# Altium PCB D11_LOCK_v1_0.PcbDoc (continued)
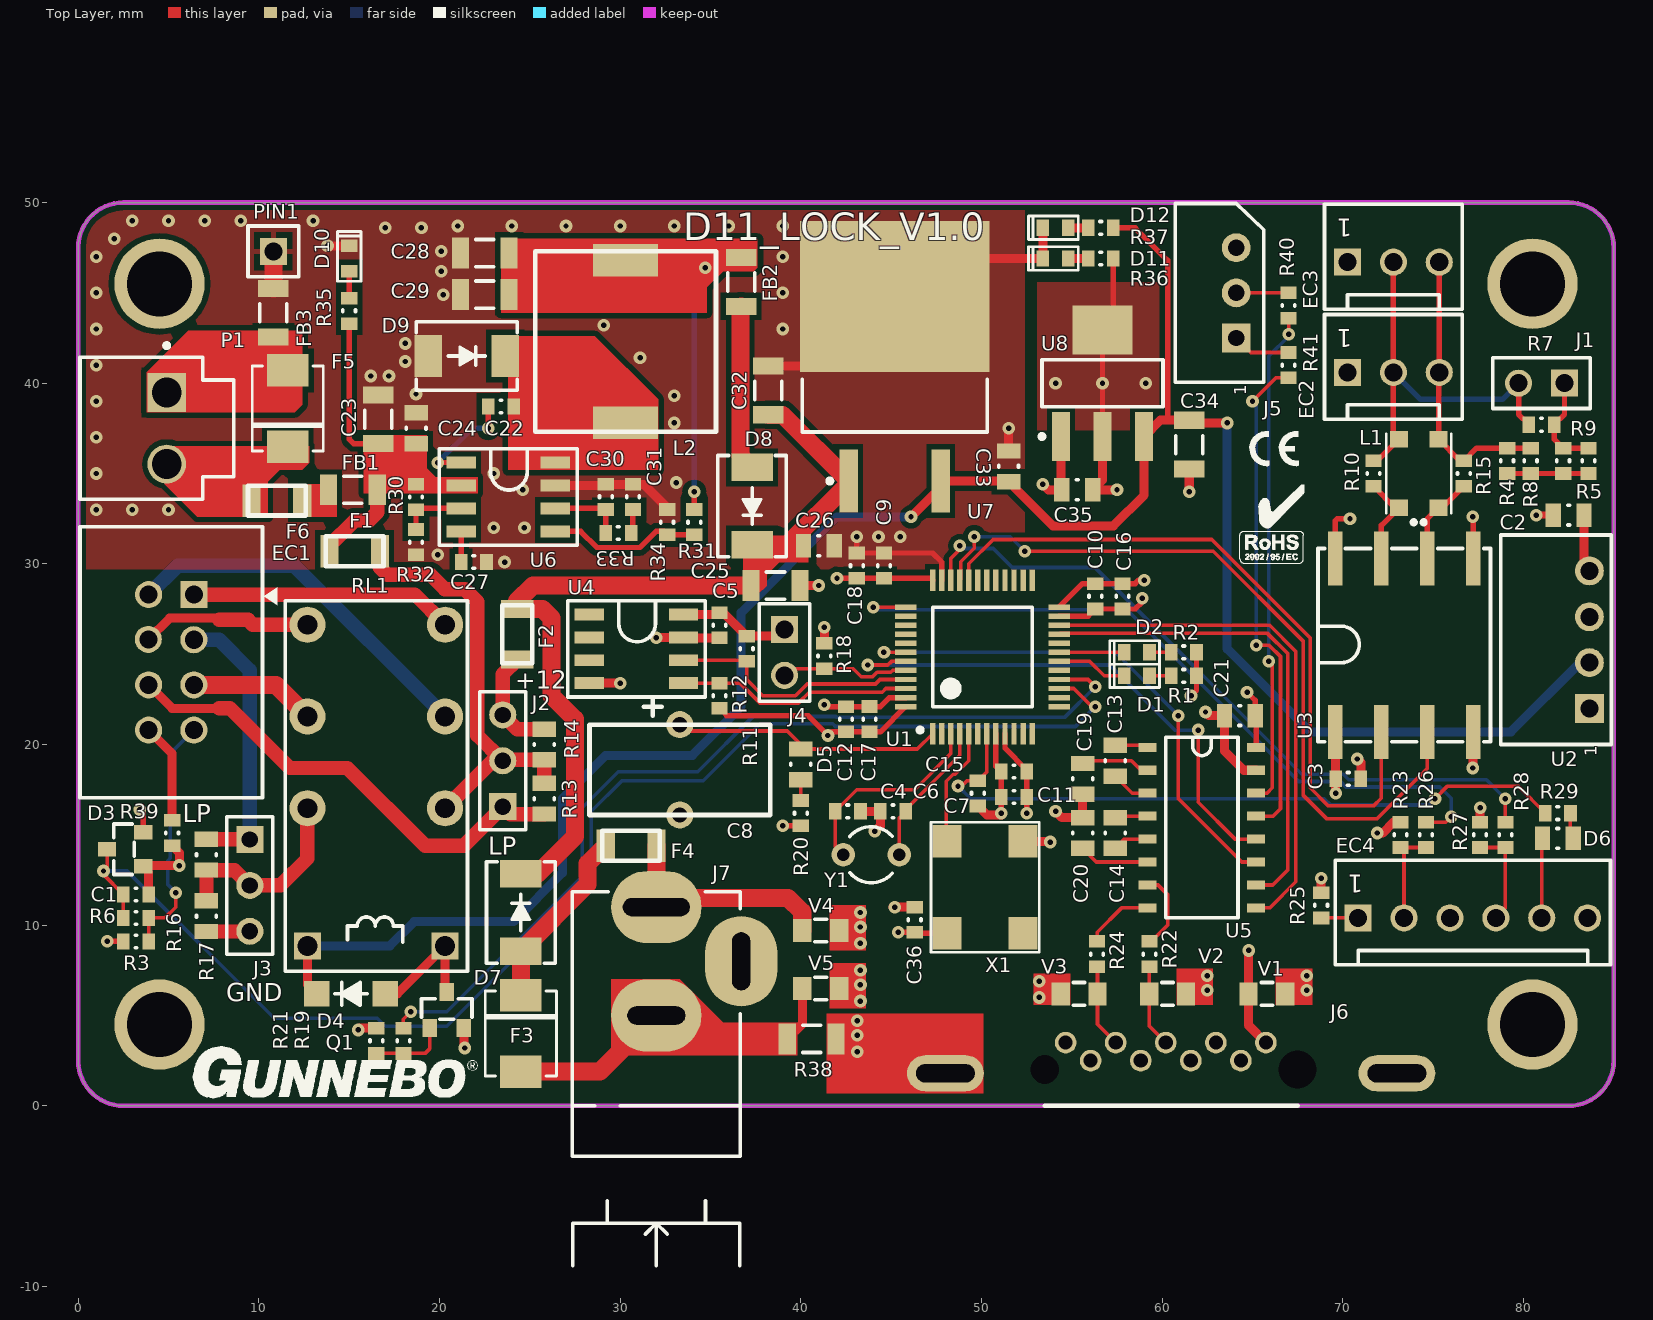
[diagram p0: Top Layer view]
## Part data (continued)
U3: library part 6001176, "CAN Transceiver Isolated 3-5vcc (-55º-105ºC)SOP8-DIP", Part Number=-, Codigo=6001176, DescripcionArticulo="CAN TRANSCEIVER ISO1050DU SOP8-DIP", Escandallo=Sí, Sallen Ref=06001176, tipo=integrado, valor=ISO1050DU
U4: library part 6001076, Codigo=6001076, DescripcionArticulo="CIRCUITO INTEGRADO SMD M24C16 WMN6TP SOIC8P", Escandallo=Sí, valor=M24C16
U5: library part 6001091, Codigo=6001091, DescripcionArticulo="CIRCUITO INTEGRADO SMD MAX3232CSE", Escandallo=Sí, tipo=integrado, valor=MAX3232
U6: "2A, 28V INPUT, STEP DOWN SWIFT™ DC/DC CONVERTER WITH ECO-MODE", Part Number="TEXAS TPS54231D", Codigo=06001119, PROVIDER=ISEE, Sallen Ref=06001119
U7: library part 6004008, Codigo=6004008, DescripcionArticulo="TRANSISTOR SMD MC78M05CDTRK", Escandallo=Sí
U8: library part 6001155, "800mA Low-Dropout Linear Regulator, 4-pin SOT-223, Pb-Free", Manufacturer="National Semiconductor", PackageTopMarking=XYTT*N05B, PowerWise=N, Code_IPC=SOT223-4, Code_JEDEC=TO-261-AA, Codigo=6001155, ComponentLink1Description="Manufacturer URL", ComponentLink1URL=http://www.national.com/, ComponentLink2Description="LM1117 Datasheet", ComponentLink2URL=http://www.national.com/ds/LM/LM1117.pdf, ComponentLink3Description="LM1117 Web Page", ComponentLink3URL=http://www.national.com/pf/LM/LM1117.html, ComponentLink4Description="MP04A Package Page", ComponentLink4URL=http://www.national.com/packaging/folders/mp04a.html, CompType="LDO IC", DatasheetVersion=Apr-2006, Descripcion2Articulo="Case Style:SOT-223", DescripcionArticulo="IC SMD  LM1117IMP-3.3/NOPB - V REG, LINEAR, 3.3V", Escandallo=Sí, High-Reliability=Y, PackageDescription="Molded SOT-223, 6.50 x 3.56 x 1.6mm Body, 4 Lead, 2.3mm Pitch", PackageReference=MP04A, PackageVersion="revB, Apr-2003", PartNumber=LM1117IMPX-3.3/NOPB, PinCount=4, RevisionNote="SCH symbol layout adjusted", RoHS=Y, tipo=integrado, valor=LM1117IMPX-3.3/NOPB
V1 V2 V3 V4 V5: "Varistor (Voltage-Sensitive Resistor)", www.digikey.com=478-2514-6-ND
X1: library part OSC7X5_4P3.3-24MHZ, "Oscillator 7x5mm 24Mhz 3.3v 4p s73305T-24 //Aker-usa", Part Number=-, Codigo=04027021, Part Type=Oscillator, Sallen Ref=04027021
Y1: "Crystal Oscillator", LatestRevisionDate=17-Jul-2002, LatestRevisionNote="Re-released for DXP Platform.", PackageDescription="Crystal, Thru-Hole; 2 Leads; Body 3.1 x 8.2 mm (Dia.xH)", PackageReference=R38, Published=8-Jun-2000, Publisher="Altium Limited"

## Free pads (board coordinates)
  round 5 hole 3.6: ""(4.5,4.5) ""(4.5,45.5) ""(80.5,4.5) ""(80.5,45.5)

## Via types
v1: diameter 0.7, hole 0.3, Top Layer to Bottom Layer, 135 vias

## Nets (pads, with @x,y where several pads share a name; then routed paths per layer and width w, separated by ;. In a path a pad name is that pad's centre, name@x,y a point inside that pad or via, vN(x,y) a via of type N, cw(c..) or ccw(c..) an arc to the next point about the centre after c; other vN are vias at no path point)
12V: D8.1 FB2.2 | length 9.2
  Top Layer w1: FB2.2 36.65,44.2 36.65,35.985 D8.1
+3V3: C3.1 C5.2 C9.2 C10.2 C11.2 C12.2 C15.2 C16.2 C17.2 C18.2 C21.1 C35.2 C36.2 D3.2 J4.1 R1.2 R2.2 R3.2 R11.1 R12.1 R20.1 R23.2 R25.1 R27.2 R36.2 U1.9 U1.24 U1.36 U1.48 U3.1 U4.8 U5.16 U8.2 U8.4 X1.4 | length 66.6
  Top Layer w0.3: v1(1.6,9.1) R3.2 ; v1(3.4,16.4) 3.6,16.2 D3.2 ; R12.1 35.9,21.6 40.4,21.6 v1(41.5,20.5) 41.7,20.7 C12.2 C17.2 44.4,20.7 U1.48 ; v1(39,15.5) R20.1 ; v1(42,29.2) C18.2 C9.2 47.2,29.2 U1.36 ; v1(45.4,9.6) C36.2 46.34,9.56 X1.4 ; U1.9 51.3,19.8 52.5,18.6 C15.2 C11.2 52.5,16.1 v1(52.5,16.2) ; U1.24 55.6,28.9 C10.2 C16.2 58.5,28.9 58.7,29.1 v1(59,29.1) ; U8.2 v1(56.7,40) U8.4 57.3,43.55 R36.2 ; v1(61.6,22.7) 61.9,23 R1.2 R2.2 ; v1(64.7,22.9) 65.15,22.45 C21.1 65.2,21.55 U5.16
  Top Layer w0.5: U4.8 35.405,27.205 C5.2 35.7,27.3 R11.1 38.73,26 J4.1 ; U8.2 56.7,34.65 C35.2 v1(57.5,34.1) ; R25.1 v1(68.8,12.6) ; U3.1 69.59,18.11 C3.1 v1(69.6,17.3) ; v1(71.9,15.1) 72.2,15.1 72.8,15.7 R23.2 ; R27.2 v1(77.6,16.5)
  other v1: 54.1,40 59.1,40
+5V: C33.2 C34.2 D4.2 R37.2 RL1.1 U2.2 U7.3 U8.3 | length 124.1
  Top Layer w0.3: R37.2 58.5,48.6 60.3,46.8 60.3,37.95
  Top Layer w0.5: RL1.1 12.69,6.71 D4.2 ; v1(46.1,32.6) 47.74,34.24 U7.3 51.463,34.587 C33.2 53.95,32.1 57.3,32.1 59,33.8 U8.3 59.9,37.95 60.3,37.95 C34.2 61.65,37.8 v1(63.6,37.8)
  Bottom Layer w0.5: RL1.1 17.25,8.85 18.6,10.2 24.1,10.2 26.8,12.9 26.8,17 29.2,19.4 34,19.4 36.7,22.1 36.7,27.3 42,32.6 v1(46.1,32.6) ; v1(63.6,37.8) 63.6,25.3 68.2,20.7 79.3,20.7 83.13,24.53 U2.2
+5VCAN: C2.1 U2.4 U3.8 | length 6.2
  Top Layer w0.3: U3.8 69.59,32.39 69.7,32.5 v1(70.4,32.5)
  Top Layer w0.5: C2.1 83.35,29.91 U2.4
+12V: C25.1 C26.2 C32.2 D7.2 D8.2 F2.2 U7.1 | length 45.2
  Top Layer w1: D7.2 25.435,12.835 27.5,14.9 27.5,21.4 26.2,22.7 26.2,27 25.7,27.5 F2.2 24.3,27.935 25.165,28.8 C25.1 ; D8.2 39.265,31.065 42.66,34.46 U7.1 38.997,38.25 C32.2
+24V: C23.2 C24.2 F1.2 FB1.2 R30.2 R35.2 U6.2 | length 13.1
  Top Layer w0.3: R35.2 15,36.9 15.245,36.655 C23.2
  Top Layer w0.8: F1.2 13.9,31 15.3,32.4 16.1,32.4 16.55,32.85 FB1.2
CAN_RX: U1.32 U3.2 | length 39.1
  Top Layer w0.2: U1.32 49.3,30 50.65,31.35 62.75,31.35 68.2,25.9 68.2,17.6 69.2,16.6 71.7,16.6 72.13,17.03 U3.2
CAN_TX: U1.33 U3.3 | length 42.4
  Top Layer w0.2: U1.33 48.85,29.15 48.85,30.116 49.6,30.866 v1(49.6,31.5) ; v1(52.4,30.7) 62.834,30.7 67.8,25.734 67.8,17.2 69.1,15.9 71.9,15.9 74.67,18.67 U3.3
  Bottom Layer w0.2: v1(49.6,31.5) 51.6,31.5 v1(52.4,30.7)
GND: C1.1 C3.2 C4.1 C5.1 C6.1 C7.1 C8.2 C9.1 C10.1 C11.1 C12.1 C15.1 C16.1 C17.1 C18.1 C19.1 C20.2 C21.2 C23.1 C24.1 C25.2 C26.1 C27.2 C28.1 C29.1 C30.1 C31.1 C32.1 C33.1 C34.1 C35.1 C36.1 D3.1 D9.1 D10.2 D11.2 D12.2 EC4.3 F3.1 FB3.2 J3.3 J5.3 J6.5 J7.2 PIN1.1 Q1.S R17.1 R18.1 R21.1 R32.1 R34.1 R38.2 R39.1 U1.8 U1.23 U1.35 U1.47 U2.1 U3.4 U4.4 U4.7 U5.15 U6.7 U7.4 U8.1 V1.1 V5.1 X1.2 | length 109.6
  Top Layer w0.3: v1(41.3,22.2) 41.4,22.1 C12.1 C17.1 44.4,22.1 44.9,22.6 U1.47 ; v1(43.1,31.5) C18.1 C9.1 47.3,30.6 47.8,30.1 U1.35 ; U1.8 50.8,18.8 C15.1 C11.1 v1@51.1,16.1 ; U1.23 55.9,27.1 C10.1 C16.1 58.5,27.5 58.9,27.9 v1(58.9,28.1)
  Top Layer w0.5: C1.1 3.9,12.95 D3.1 3.65,13.3 v1(5.6,13.3) 5.6,14 R39.1 ; v1(13.8,47.6) D10.2 ; v1(15.5,4.2) 15.6,4.3 R21.1 ; Q1.S 21.35,3.25 v1(21.4,3.2) ; U6.7 29.138,34.34 C30.1 C31.1 31.295,34.405 32.604,33.096 R34.1 ; U4.4 29.995,23.395 v1(30,23.4) ; v1(32,25.9) 32.035,25.935 U4.7 33.539,25.9 C5.1 ; C32.1 41.35,40.95 U7.4 47.3,46.9 D11.2 D12.2 ; R38.2 40.08,4.53 V5.1 ; C25.2 v1(41,28.8) ; R18.1 v1(41.3,26.5) ; C4.1 C6.1 44.4,15.5 v1(44.1,15.2) ; v1(45.2,11) 45.1,11 C36.1 ; C7.1 50.3,16.1 v1@51.1,16.1 ; C33.1 v1(51.5,37.5) ; X1.2 53.76,14.64 v1(53.8,14.6) ; v1(53.4,34.4) 53.7,34.1 C35.1 54.4,34.15 U8.1 ; v1(54.1,16.3) 54.45,15.95 C20.2 C19.1 ; v1(61.5,34) C34.1 ; v1(62.4,21.8) 62.6,21.6 C21.2 63.45,19.65 64.525,18.575 U5.15 ; v1(64.8,8.6) 64.78,8.58 V1.1 64.78,4.46 J6.5 ; v1(70.8,19.2) 71,19 C3.2 ; v1(77.2,18.7) 77.21,18.71 U3.4
  Top Layer w0.8: R17.1 9.49,9.65 J3.3
  Top Layer w1: FB3.2 PIN1.1 ; F3.1 28.892,1.892 J7.2
  other v1: 51.1,16.2 23.6,30.1 19.9,30.5 44.3,31.5 45.5,31.5 23,32 24.7,32 1,33 3,33 5,33 24.6,34.1 33.1,34.5 1,35 23,35 1,37 33,37.8 1,39 33,39.3 18.7,39.4 16.2,40.4 17.2,40.4 1,41 18.1,41.2 31.1,41.4 18.1,42.2 1,43 39,43 29.1,43.2 20.2,44.9 1,45 39,45 20.1,46.2 1,47 39,47 20.1,47.3 2,48 17,48.6 19,48.6 21,48.7 24,48.7 27,48.7 30,48.7 33,48.7 36,48.7 39,48.7 3,49 5,49 7,49 9,49 13,49
GND_CAN: C2.2 EC2.1 EC3.1 U2.3 U3.5 | length 3.3
  Top Layer w0.3: v1(77.2,32.6) 77.21,32.59 U3.5
  Top Layer w0.4: v1(80.7,32.7) C2.2
GND_EARTH: J6.10 J6.11 pad.@4.5,4.5 pad.@80.5,4.5 R38.1 V1.2 V2.1 V3.1 V4.2 V5.2
  other v1: 43.13,3 43.13,3.9 43.13,4.7 43.3,5.8 53.2,6 62.5,6.4 68,6.4 43.3,6.7 53.2,6.9 62.5,7.2 68,7.2 43.3,7.5 43.3,9 43.3,9.9 43.3,10.7
I2C1_SCL: R11.2 U1.45 U4.6 | length 14.1
  Top Layer w0.2: U4.6 36.935,24.665 R11.2 37,23.6 37.9,22.7 39.7,22.7 40.35,23.35 44.135,23.35 44.385,23.6 U1.45
I2C1_SDA: R12.2 U1.46 U4.5 | length 13.1
  Top Layer w0.2: U4.5 33.508,23.4 R12.2 36.634,23.4 37.734,22.3 39.866,22.3 40.466,22.9 44.5,22.9 44.7,23.1 U1.46
LED_0: D1.2 U1.18 | length 3.9
  Top Layer w0.2: U1.18 56,24.6 56.8,23.8 D1.2
LED_1: D2.2 U1.19 | length 3.6
  Top Layer w0.2: U1.19 D2.2
LOCK_RELAY: R19.2 U1.16 | length 50.9
  Top Layer w0.2: R19.2 18,4.8 v1(18.4,5.2) ; U1.16 55.9,23.6 v1(56.3,23.2)
  Bottom Layer w0.2: v1(18.4,5.2) 20.4,5.2 27.9,12.7 27.9,16.5 29.9,18.5 34.3,18.5 37.35,21.55 41.935,21.55 41.985,21.5 54.6,21.5 v1(56.3,23.2)
LOCK_SWITCH: C1.2 D3.3 R6.1 U1.15 | length 75.2
  Top Layer w0.2: D3.3 1.6,13.2 v1(1.4,13) 1.4,12.8 C1.2 R6.1 ; U1.15 55.1,23.1 56.2,22 56.4,22 v1(56.3,22.1)
  Bottom Layer w0.2: v1(1.4,13) 2.7,13 10.85,4.85 16.55,4.85 17,4.4 20.4,4.4 28.4,12.4 28.4,16.3 30.1,18 34.6,18 37.75,21.15 41.769,21.15 41.919,21 55.2,21 v1(56.3,22.1)
NetC4_2: C4.2 U1.3 Y1.2 | length 11.4
  Top Layer w0.2: Y1.2 41.9,14.35 C4.2 43.1,17.5 46.3,17.5 48.3,19.5 U1.3
NetC6_2: C6.2 U1.4 Y1.1 | length 8.1
  Top Layer w0.2: Y1.1 45.45,15.95 C6.2 45.8,16.4 48.8,19.4 U1.4
NetC13_1: C13.1 U5.3 | length 2.2
  Top Layer w0.2: C13.1 58.345,17.305 U5.3
NetC13_2: C13.2 U5.1 | length 1.8
  Top Layer w0.2: C13.2 59.095,19.95 U5.1
NetC14_1: C14.1 U5.4 | length 1.8
  Top Layer w0.2: C14.1 57.485,16.035 U5.4
NetC14_2: C14.2 U5.5 | length 2
  Top Layer w0.2: C14.2 57.915,14.765 U5.5
NetC19_2: C19.2 U5.2 | length 3.9
  Top Layer w0.2: C19.2 55.75,19.1 58.3,19.1 58.825,18.575 U5.2
NetC20_1: C20.1 U5.6 | length 3.9
  Top Layer w0.2: C20.1 56.355,13.495 U5.6
NetC22_1: C22.1 U6.1 | length 6.1
  Top Layer w0.3: v1(19.9,35.6) 19.91,35.61 U6.1 ; v1(22.7,37.5) 22.7,38.702 C22.1
  Bottom Layer w0.3: v1(19.9,35.6) 21.8,37.5 v1(22.7,37.5)
NetC22_2: C22.2 D9.2 L2.1 U6.8
NetC27_1: C27.1 U6.4 | length 1.7
  Top Layer w0.3: C27.1 U6.4
NetC28_2: C28.2 C29.2 FB2.1 L2.2 R31.2 | length 15.9
  Top Layer w0.3: v1(34.1,34) 34.103,33.997 R31.2 ; v1(34.7,46.4) 35.25,46.95 FB2.1
  Bottom Layer w0.3: v1(34.1,34) 34.1,45.8 v1(34.7,46.4)
NetC30_2: C30.2 R33.2 U6.6 | length 4.1
  Top Layer w0.3: U6.6 29.138,33.07 C30.2 R33.2
NetC31_2: C31.2 R33.1 | length 1.3
  Top Layer w0.3: R33.1 30.703,31.805 C31.2
NetD1_1: D1.1 R1.1 | length 1.2
  Top Layer w0.2: D1.1 R1.1
NetD2_1: D2.1 R2.1 | length 1.2
  Top Layer w0.2: D2.1 R2.1
NetD4_1: D4.1 Q1.D RL1.16 | length 7
  Top Layer w0.5: D4.1 17.66,6.2 RL1.16 20.31,6.39 Q1.D
NetD5_1: D5.1 R20.2 | length 1.1
  Top Layer w0.2: R20.2 D5.1
NetD6_1: D6.1 R29.1 | length 1.5
  Top Layer w0.2: R29.1 82.6,14.95 D6.1
NetD6_2: D6.2 EC4.5 | length 4.4
  Top Layer w0.2: EC4.5 81.01,14.76 D6.2
NetD7_1: D7.1 F3.2 F4.2 | length 10.2
  Top Layer w1: F3.2 D7.1 28.2,12.265 28.2,13.4 F4.2
NetD10_1: D10.1 R35.1 | length 1.5
  Top Layer w0.3: R35.1 D10.1
NetD11_1: D11.1 R36.1 | length 1.1
  Top Layer w0.5: D11.1 R36.1
NetD12_1: D12.1 R37.1 | length 1.1
  Top Layer w0.5: D12.1 R37.1
NetEC1_1: EC1.1 RL1.9 | length 14.6
  Top Layer w0.8: EC1.1 18.64,28.3 RL1.9
NetEC1_2: EC1.2 RL1.11 | length 20.5
  Bottom Layer w0.8: EC1.2 5.5,29.9 11.96,29.9 RL1.11
NetEC1_3: EC1.3 J3.1 R16.2 | length 15.6
  Top Layer w0.8: R16.2 9.49,14.75 J3.1
  Bottom Layer w0.8: EC1.3 7.8,25.8 9.5,24.1 J3.1
NetEC1_4: EC1.4 RL1.8 | length 9.5
  Top Layer w0.5: EC1.4 5.06,27 7.7,27 7.8,26.9
  Top Layer w0.8: 7.8,26.9 9.4,26.9 9.67,26.63 RL1.8
NetEC1_5: EC1.5 RL1.6 | length 7
  Top Layer w1: EC1.5 10.94,23.3 RL1.6
NetEC1_6: EC1.6 J2.1 R13.2 | length 26.7
  Top Layer w0.5: EC1.6 5.2,22 7.8,22
  Top Layer w0.8: 7.8,22 8.4,22 11.7,18.7 14.9,18.7 19.2,14.4 21.34,14.4 J2.1 23.91,16.15 R13.2
NetEC1_7: EC1.7 R3.1 R6.2 | length 13.6
  Top Layer w0.2: R3.1 R6.2 4.8,10.4 5.4,11 v1(5.4,11.8)
  Bottom Layer w0.2: v1(5.4,11.8) 4.95,12.25 4.95,13.569 5.1,13.719 5.1,19.5 EC1.7
NetEC1_8: EC1.8 R39.2 | length 5.5
  Top Layer w0.5: EC1.8 5.2,19.5 R39.2
NetEC2_2: EC2.2 EC3.2 J1.2 L1.2 R7.2 R10.2 | length 22.3
  Top Layer w0.3: R10.2 71.9,35.7 L1.2 72.8,37.2 EC2.2 EC3.2 ; J1.2 79.73,38.27 R7.2
  Bottom Layer w0.3: EC2.2 74.3,39.1 78.83,39.1 J1.2
NetEC2_3: EC2.3 EC3.3 L1.3 R4.1 R8.1 R15.2 | length 15.7
  Top Layer w0.3: EC3.3 EC2.3 75.3,40.56 L1.3 76.5,35.7 R15.2 77.4,36.4 R4.1 R8.1
NetEC4_1: EC4.1 R25.2 | length 2.1
  Top Layer w0.2: R25.2 EC4.1
NetEC4_2: EC4.2 R23.1 R26.1 | length 5.4
  Top Layer w0.2: EC4.2 73.39,14.11 R23.1 R26.1
NetEC4_4: EC4.4 R27.1 R28.1 | length 5.5
  Top Layer w0.2: R27.1 R28.1 79,10.93 EC4.4
NetF1_1: F1.1 J2.2 R13.1 R14.2 RL1.13 | length 24.4
  Top Layer w0.8: F1.1 16.7,29.8 17.1,29.4 19.5,29.4 20.3,28.6 21.4,28.6 22.1,27.9 22.1,20.5 J2.2 ; RL1.13 22.94,19.1 J2.2 ; R13.1 R14.2 23.55,19.15 J2.2
NetF2_1: F2.1 J2.3 R14.1 | length 6
  Top Layer w0.8: F2.1 23.5,23.9 J2.3 24.29,20.85 R14.1
NetF5_1: F5.1 FB3.1 P1.1
NetF6_2: F6.2 FB1.1
NetJ1_1: J1.1 R5.2 R7.1 R9.2 | length 5.4
  Top Layer w0.3: J1.1 82.27,38.27 R7.1 81.7,36.9 R9.2 R5.2
NetJ3_2: J3.2 R16.1 R17.2 RL1.4 | length 11
  Top Layer w0.8: R17.2 R16.1 8.65,13.05 J3.2 11.2,12.2 12.69,13.69 RL1.4
NetJ4_2: J4.2 R18.2 U1.44 | length 7.2
  Top Layer w0.2: J4.2 39.47,24.2 R18.2 42.9,24.2 43.35,23.75 43.969,23.75 44.219,24 44.985,24 45.085,24.1 U1.44
NetJ5_1: J5.1 R41.1 | length 3.2
  Top Layer w0.2: J5.1 64.9,41.7 R41.1
NetJ5_2: J5.2 R40.1 | length 2.9
  Top Layer w0.2: J5.2 R40.1
NetJ6_2: J6.2 R24.1 V3.2 | length 4.5
  Top Layer w0.2: R24.1@56.4,7.6 56.42,7.58 V3.2 56.42,4.51 J6.2
NetJ6_3: J6.3 R22.1 V2.2 | length 4.5
  Top Layer w0.2: R22.1@59.3,7.6 59.28,7.58 V2.2 59.28,4.42 J6.3
NetL1_1: L1.1 R10.1 U3.7 | length 5.1
  Top Layer w0.3: R10.1 72.9,33.1 L1.1 72.13,32.13 U3.7
NetL1_4: L1.4 R15.1 U3.6 | length 5
  Top Layer w0.3: U3.6 74.67,32.47 L1.4 75.5,33.1 R15.1
NetQ1_G: Q1.G R19.1 R21.2 | length 4.2
  Top Layer w0.2: R21.2 R19.1 19.2,2.9 19.45,3.15 Q1.G
NetR4_2: R4.2 R5.1 R8.2 R9.1 | length 4.5
  Top Layer w0.3: R4.2 R8.2 R9.1 R5.1
NetR30_1: R30.1 R32.2 U6.3 | length 3.6
  Top Layer w0.3: R32.2 R30.1 18.77,33.07 U6.3
NetR31_1: R31.1 R34.2 U6.5 | length 8.5
  Top Layer w0.3: U6.5 27.814,31.8 28.709,30.905 31.098,30.905 31.993,31.8 32.409,31.8 R34.2 R31.1
NetU1_5: U1.5 X1.3 | length 6.6
  Top Layer w0.2: X1.3 48.05,14.69 48.05,17.969 48.431,18.35 48.55,18.35 49.3,19.1 U1.5
NRST: C7.2 R29.2 U1.7 | length 38
  Top Layer w0.2: v1(48.7,17.7) 48.9,17.7 49.2,18 C7.2 50.3,18.5 U1.7 ; v1(75.1,17) 75.8,17.7 79.7,17.7 R29.2
  Bottom Layer w0.2: v1(48.7,17.7) 49.4,17 68.981,17 69.331,16.65 74.75,16.65 v1(75.1,17)
PA8: U1.29
PA15: U1.38
PB2: U1.20
PB3: U1.39
PB4: U1.40
PB5: U1.41
PB12: U1.25
PB13: U1.26
PB14: U1.27
PB15: U1.28
PC13: U1.2
Rx232ext: R24.2 U5.8 | length 4
  Top Layer w0.2: R24.2@56.4,9 R24.2 56.4,9.6 57.755,10.955 U5.8
Rx232int: R41.2 U5.13 | length 27.7
  Top Layer w0.2: v1(65,39) 66.3,40.3 R41.2 ; U5.13 66.135,16.035 66.55,16.45 66.55,24.869 65.919,25.5 v1(65.2,25.5)
  Bottom Layer w0.2: v1(65,39) 65.2,38.8 v1(65.2,25.5)
SDCLK: R26.2 U1.37 | length 40.7
  Top Layer w0.2: v1(44,27.6) U1.37 ; R26.2 75.7,15.7 v1(76,16)
  Bottom Layer w0.2: v1(44,27.6) 44.15,27.45 58.065,27.45 67.565,17.95 69.869,17.95 70.169,17.65 75.369,17.65 76,17.019 v1(76,16)
SDWIO: R28.2 U1.34 | length 39.4
  Top Layer w0.2: U1.34 48.3,30.3 48.8,30.8 v1(48.8,31) ; R28.2 v1(79,17)
  Bottom Layer w0.2: v1(48.8,31) 48.95,30.85 50.65,30.85 51.7,29.8 56.281,29.8 67.731,18.35 70.035,18.35 70.335,18.05 77.95,18.05 v1(79,17)
Tx232ext: R22.2 U5.7 | length 4.4
  Top Layer w0.2: U5.7 59.775,12.225 60.3,11.7 60.3,10 R22.2@59.3,9
Tx232int: R40.2 U5.14 | length 27.6
  Top Layer w0.2: U5.14 65.805,17.305 66.1,17.6 66.1,24.4 v1(65.9,24.6) ; v1(67,42.7) R40.2
  Bottom Layer w0.2: v1(65.9,24.6) 65.9,41.5 67,42.6 v1(67,42.7)
USART1_RX: U1.43 U5.12 | length 30
  Top Layer w0.2: v1(43.7,24.4) 44.819,24.4 45.019,24.6 U1.43 ; v1(62,20.8) 62,16.8 64.035,14.765 U5.12
  Bottom Layer w0.2: v1(43.7,24.4) 57.1,24.4 60.7,20.8 v1(62,20.8)
USART1_TX: U1.42 U5.11 | length 29.4
  Top Layer w0.2: v1(44.6,25.1) U1.42 ; v1(60.9,21.6) 60.9,17 64.405,13.495 U5.11
  Bottom Layer w0.2: v1@44.7,25.2 v1(44.6,25.1) 57.4,25.1 v1(60.9,21.6)
USART3_RX: U1.22 U5.9 | length 29.2
  Top Layer w0.2: U1.22 65.951,26.6 67.4,25.151 67.4,12.4 65.955,10.955 U5.9
USART3_TX: U1.21 U5.10 | length 27.2
  Top Layer w0.2: U1.21 54.35,26.15 65.835,26.15 66.95,25.035 66.95,13.05 66.125,12.225 U5.10
USART4_RX: U1.11
USART4_TX: U1.10
VBAT: C8.1 D5.2 U1.1 | length 15.1
  Top Layer w0.2: C8.1 33.65,20.75 39.25,20.75 40,20 D5.2 46.45,19.75 U1.1
VIN_ext: F4.1 J7.1 V4.1 | length 13
  Top Layer w1: F4.1 J7.1 32.5,11.5 39.3,11.5 40.08,10.72 V4.1
VIN_int24: F5.2 F6.1 P1.2
pads on no net: D3.PEGA D4.PEGA D7.PEGA D8.PEGA D9.PEGA EC4.6 J6. J6.1 J6.4 J6.6 J6.7 J6.8 J6.9 J7.3 Q1.PEGA U1.6 U1.12 U1.13 U1.14 U1.17 U1.30 U1.31 U4.1 U4.2 U4.3 X1.1

## Polygon pours and split planes (outlines as drawn)
+3V3 on Top Layer "Top Layer-No Net" (solid, remove dead copper, pour order 20): 60.2,37.4 60.2,45.6 53.1,45.6 53.1,37.4
GND on Top Layer "GND_L01_P022" (solid, remove dead copper, pour order 26): 0,29.7 52.4,29.7 52.4,50.022 0,50.022
GND_EARTH on Bottom Layer "EARTH" (solid, remove dead copper, pour order 22): 42.5,7.6 42.5,10.7 42.9,11.1 43.6,11.1 44,10.7 44,7.6 85,7.6 85,0 0,0 0,7.6 6,7.6 12.1,1.5 36.4,1.5
GND_CAN on Internal Plane 1 (split plane): 82.695,49.482 82.889,49.454 83.078,49.406 83.262,49.34 83.439,49.257 83.607,49.156 83.764,49.04 83.908,48.908 84.04,48.764 84.156,48.607 84.257,48.439 84.34,48.262 84.406,48.078 84.454,47.889 84.482,47.695 84.491,47.516 84.49,47.5 84.49,26.552 69.752,26.552 69.752,49.49 82.5,49.49 82.516,49.491
GND on Internal Plane 1 (split plane): 2.5,49.49 68.248,49.49 68.248,25.8 68.257,25.682 68.285,25.568 68.33,25.458 68.391,25.358 68.468,25.268 68.558,25.191 68.658,25.13 68.768,25.085 68.882,25.057 69,25.048 84.49,25.048 84.49,7.6 44,7.6 44,11.1 42.5,11.1 42.5,7.6 36.4,1.5 12.1,1.5 6,7.6 0.51,7.6 0.51,47.5 0.509,47.516 0.518,47.695 0.546,47.889 0.594,48.078 0.66,48.262 0.743,48.439 0.844,48.607 0.96,48.764 1.092,48.908 1.236,49.04 1.393,49.156 1.561,49.257 1.738,49.34 1.922,49.406 2.111,49.454 2.305,49.482 2.484,49.491
+5VCAN on Internal Plane 2 (split plane): 82.695,49.482 82.889,49.454 83.078,49.406 83.262,49.34 83.439,49.257 83.607,49.156 83.764,49.04 83.908,48.908 84.04,48.764 84.156,48.607 84.257,48.439 84.34,48.262 84.406,48.078 84.454,47.889 84.482,47.695 84.491,47.516 84.49,47.5 84.49,26.552 69.752,26.552 69.752,49.49 82.5,49.49 82.516,49.491
+3V3 on Internal Plane 2 (split plane): 2.5,49.49 68.248,49.49 68.248,25.8 68.257,25.682 68.285,25.568 68.33,25.458 68.391,25.358 68.468,25.268 68.558,25.191 68.658,25.13 68.768,25.085 68.882,25.057 69,25.048 84.49,25.048 84.49,7.6 44,7.6 44,11.1 42.5,11.1 42.5,7.6 36.4,1.5 12.1,1.5 6,7.6 0.51,7.6 0.51,47.5 0.509,47.516 0.518,47.695 0.546,47.889 0.594,48.078 0.66,48.262 0.743,48.439 0.844,48.607 0.96,48.764 1.092,48.908 1.236,49.04 1.393,49.156 1.561,49.257 1.738,49.34 1.922,49.406 2.111,49.454 2.305,49.482 2.484,49.491

## Keep-outs
Keep-Out Layer:
  lines w0.254: 0,2.5 ccw(c2.5,2.5) 2.5,0 3,0 82.5,0 ccw(c82.5,2.5) 85,2.5 85,47.5 ccw(c82.5,47.5) 82.5,50 3,50 2.5,50 ccw(c2.5,47.5) 0,47.5 0,2.5

## Other copper
Top Layer:
  region net GND: 29.5,7 33.3,7 35.7,4.6 39.8,4.6 39.8,2.8 29.5,2.8
  region net GND_EARTH: 41.43,5.1 50.1,5.1 50.1,0.7 41.43,0.7
  region net GND_EARTH: 41.6,7.9 43.6,7.9 43.6,5.4 41.6,5.4
  region net GND_EARTH: 41.6,11.1 43.6,11.1 43.6,8.6 41.6,8.6
  region net GND_EARTH: 66.3,7.6 68.3,7.6 68.3,5.6 66.3,5.6
  region net GND_EARTH: 60.8,7.6 62.8,7.6 62.8,5.6 60.8,5.6
  region net +12V: 40.4,31.3 36.8,31.3 36.8,28.3 37.6,28.3 38.1,28.8 38.1,29.4 38.8,30.1 40.4,30.1
  region net NetF5_1: 3.8,38.4 12,38.4 12.4,38.8 12.4,42.9 6.1,42.9 3.8,40.6
  region net GND_EARTH: 54.9,5.6 52.9,5.6 52.9,7.3 54.9,7.3
  region net NetC28_2: 37.4,46.2 35.7,46.2 34.8,45.3 34.8,43.9 23.403,43.9 23.403,48 37.6,48 37.6,46.4
  region net NetC22_2: 23.803,35.2 32.103,35.2 32.103,39.105 28.603,42.605 23.803,42.605
  region net +24V: 22.103,33.905 15.805,33.905 15.805,37.105 19.303,37.105 19.303,35.296 19.795,34.805 22.103,34.805
  region net VIN_int24: 10.5,34.55 11.15,35.2 12.4,35.2 12.8,35.6 12.8,36.5 10.5,36.5 4.8,36.5 4.8,34.4 6.6,32.6 10.5,32.6
  region net NetF6_2: 14.3,32.6 11.9,32.6 11.9,34.4 14.3,34.4
Internal Plane 1 (plane layer: these items are gaps in the copper):
  pour cut-out: 38.4,58.1 39.5,58.1 39.5,57 38.4,57
  pour cut-out: 0,0 0,7.6 6,7.6 12.1,1.5 36.4,1.5 42.5,7.6 42.5,11.1 44,11.1 44,7.6 85,7.6 85,0
  lines w1.5: 69,50 69,25.8 85,25.8
Internal Plane 2 (plane layer: these items are gaps in the copper):
  pour cut-out: 0,0 0,7.6 6,7.6 12.1,1.5 36.4,1.5 42.5,7.6 42.5,11.1 44,11.1 44,7.6 85,7.6 85,0
  lines w1.5: 69,50 69,25.8 85,25.8

## Silkscreen, mask and mechanical layers (free items; w line width, h text height)
Top Overlay:
  drawing of 2415 lines, arcs and shapes, not listed
  text "D11_LOCK_V1.0" at 33.5,47.9 h1.52
  text "+12" at 24.2,23.1 h1
  text "LP" at 5.8,15.7 h1
  text "LP" at 22.7,13.9 h1
  text "GND" at 8.2,5.8 h1
Mechanical 10:
  text "Layer:" at 24.5,-6.5 h1.52
  text "'.Printout_Name'" at 33.6,-6.5 h1.52
Drill Drawing:
  drawing of 154 lines, arcs and shapes, not listed
  text "Symbol" at -36.731,141.81 h1.83
  text "Count" at -23.882,141.81 h1.83
  text "Hole Size" at -8.646,141.81 h1.83
  text "Plated" at 20.809,141.81 h1.83
  text "Hole Type" at 33.659,141.81 h1.83
  text "Drill Layer Pair" at 52.297,141.81 h1.83
  text "Via/Pad" at 90.386,141.81 h1.83
  text "Pad Shape" at 105.368,141.81 h1.83
  text "Template" at 124.311,141.81 h1.83
  text "135" at -23.882,138 h1.52
  text "0,300mm (11,81mil)" at -8.646,138 h1.52
  text "PTH" at 20.809,138 h1.52
  text "Round" at 33.659,138 h1.52
  text "Top Layer - Bottom Layer" at 52.297,138 h1.52
  text "Via" at 90.386,138 h1.52
  text "Rounded" at 105.368,138 h1.52
  text "v70h30" at 124.311,138 h1.52
  text "2" at -23.882,134.19 h1.52
  text "0,700mm (27,56mil)" at -8.646,134.19 h1.52
  text "PTH" at 20.809,134.19 h1.52
  text "Round" at 33.659,134.19 h1.52
  text "Top Layer - Bottom Layer" at 52.297,134.19 h1.52
  text "Pad" at 90.386,134.19 h1.52
  text "Rounded" at 105.368,134.19 h1.52
  text "c130h70" at 124.311,134.19 h1.52
  text "9" at -23.882,130.38 h1.52
  text "0,780mm (30,71mil)" at -8.646,130.38 h1.52
  text "PTH" at 20.809,130.38 h1.52
  text "Round" at 33.659,130.38 h1.52
  text "Top Layer - Bottom Layer" at 52.297,130.38 h1.52
  text "Pad" at 90.386,130.38 h1.52
  text "Rounded" at 105.368,130.38 h1.52
  text "c120h78" at 124.311,130.38 h1.52
  text "2" at -23.882,126.57 h1.52
  text "0,850mm (33,47mil)" at -8.646,126.57 h1.52
  text "PTH" at 20.809,126.57 h1.52
  text "Round" at 33.659,126.57 h1.52
  text "Top Layer - Bottom Layer" at 52.297,126.57 h1.52
  text "Pad" at 90.386,126.57 h1.52
  text "Rounded" at 105.368,126.57 h1.52
  text "c150h85" at 124.311,126.57 h1.52
  text "9" at -23.882,122.76 h1.52
  text "0,900mm (35,43mil)" at -8.646,122.76 h1.52
  text "PTH" at 20.809,122.76 h1.52
  text "Round" at 33.659,122.76 h1.52
  text "Top Layer - Bottom Layer" at 52.297,122.76 h1.52
  text "Pad" at 90.386,122.76 h1.52
  text "(Mixed)" at 105.368,122.76 h1.52
  text "(Mixed)" at 124.311,122.76 h1.52
  text "29" at -23.882,118.95 h1.52
  text "1,000mm (39,37mil)" at -8.646,118.95 h1.52
  text "PTH" at 20.809,118.95 h1.52
  text "Round" at 33.659,118.95 h1.52
  text "Top Layer - Bottom Layer" at 52.297,118.95 h1.52
  text "Pad" at 90.386,118.95 h1.52
  text "(Mixed)" at 105.368,118.95 h1.52
  text "(Mixed)" at 124.311,118.95 h1.52
  text "2" at -23.882,115.14 h1.52
  text "1,000mm (39,37mil)" at -8.646,115.14 h1.52
  text "PTH" at 20.809,115.14 h1.52
  text "Slot" at 33.659,115.14 h1.52
  text "Top Layer - Bottom Layer" at 52.297,115.14 h1.52
  text "Pad" at 90.386,115.14 h1.52
  text "Rounded" at 105.368,115.14 h1.52
  text "(Mixed)" at 124.311,115.14 h1.52
  text "2" at -23.882,111.33 h1.52
  text "1,000mm (39,37mil)" at -8.646,111.33 h1.52
  text "PTH" at 20.809,111.33 h1.52
  text "Slot" at 33.659,111.33 h1.52
  text "Top Layer - Bottom Layer" at 52.297,111.33 h1.52
  text "Pad" at 90.386,111.33 h1.52
  text "Rounded" at 105.368,111.33 h1.52
  text "r425_200h100_325r100" at 124.311,111.33 h1.52
  text "1" at -23.882,107.52 h1.52
  text "1,000mm (39,37mil)" at -8.646,107.52 h1.52
  text "PTH" at 20.809,107.52 h1.52
  text "Slot" at 33.659,107.52 h1.52
  text "Top Layer - Bottom Layer" at 52.297,107.52 h1.52
  text "Pad" at 90.386,107.52 h1.52
  text "Rounded" at 105.368,107.52 h1.52
  text "r500_400h100_370r100" at 124.311,107.52 h1.52
  text "8" at -23.882,103.71 h1.52
  text "1,100mm (43,31mil)" at -8.646,103.71 h1.52
  text "PTH" at 20.809,103.71 h1.52
  text "Round" at 33.659,103.71 h1.52
  text "Top Layer - Bottom Layer" at 52.297,103.71 h1.52
  text "Pad" at 90.386,103.71 h1.52
  text "(Mixed)" at 105.368,103.71 h1.52
  text "(Mixed)" at 124.311,103.71 h1.52
  text "1" at -23.882,99.9 h1.52
  text "1,600mm (62,99mil)" at -8.646,99.9 h1.52
  text "PTH" at 20.809,99.9 h1.52
  text "Round" at 33.659,99.9 h1.52
  text "Top Layer - Bottom Layer" at 52.297,99.9 h1.52
  text "Pad" at 90.386,99.9 h1.52
  text "Rounded" at 105.368,99.9 h1.52
  text "c0h160" at 124.311,99.9 h1.52
  text "2" at -23.882,96.09 h1.52
  text "1,650mm (64,96mil)" at -8.646,96.09 h1.52
  text "PTH" at 20.809,96.09 h1.52
  text "Round" at 33.659,96.09 h1.52
  text "Top Layer - Bottom Layer" at 52.297,96.09 h1.52
  text "Pad" at 90.386,96.09 h1.52
  text "(Mixed)" at 105.368,96.09 h1.52
  text "(Mixed)" at 124.311,96.09 h1.52
  text "1" at -23.882,92.28 h1.52
  text "2,100mm (82,68mil)" at -8.646,92.28 h1.52
  text "PTH" at 20.809,92.28 h1.52
  text "Round" at 33.659,92.28 h1.52
  text "Top Layer - Bottom Layer" at 52.297,92.28 h1.52
  text "Pad" at 90.386,92.28 h1.52
  text "Rounded" at 105.368,92.28 h1.52
  text "c0h210" at 124.311,92.28 h1.52
  text "4" at -23.882,88.47 h1.52
  text "3,600mm (141,73mil)" at -8.646,88.47 h1.52
  text "PTH" at 20.809,88.47 h1.52
  text "Round" at 33.659,88.47 h1.52
  text "Top Layer - Bottom Layer" at 52.297,88.47 h1.52
  text "Pad" at 90.386,88.47 h1.52
  text "Rounded" at 105.368,88.47 h1.52
  text "c500h360" at 124.311,88.47 h1.52
  text "207 Total" at -23.882,84.66 h1.52
  text "Slot definitions :" at -36.731,80.978 h1.52
  text "Routed Path Length" at -10.501,80.978 h1.52
  text "= Calculated from tool start centre position to tool end centre position." at 17.507,80.978 h1.52
  text "Hole Length" at -10.501,78.438 h1.52
  text "= Routed Path Length + Tool Size = Slot length as defined in the PCB layout" at 7.096,78.438 h1.52

## Dimensions
0,47.5 to 85,47.5 on Drill Drawing
82.5,50 to 82.5,0 on Drill Drawing

## Text inside footprints (layer, text, board x,y; h text height)
EC2: Top Overlay "1" at 70.535,43 h1 r180
EC3: Top Overlay "1" at 70.535,49.1 h1 r180
EC4: Top Overlay "1" at 71.125,12.8 h1 r180
J5: Top Overlay "1" at 64.65,39.325 h0.67 r90
RL1: Drill Guide "BO" at 17.319,10.971 h1.2 r180; Drill Guide "NO" at 20.8,23.6 h1 r90; Drill Guide "NC" at 20.8,18.6 h1 r90; Drill Guide "NC" at 13.18,18.6 h1 r90; Drill Guide "NO" at 13.18,23.6 h1 r90; Drill Guide "CO" at 20.8,13.15 h1 r90; Drill Guide "CO" at 13.2,13.1 h1 r90
U2: Top Overlay "1" at 84.05,19.35 h0.67 r90